# Altium PCB CRD25DA12N-FMC V2 (09-2024).PcbDoc (part 1 of 6) (continued)
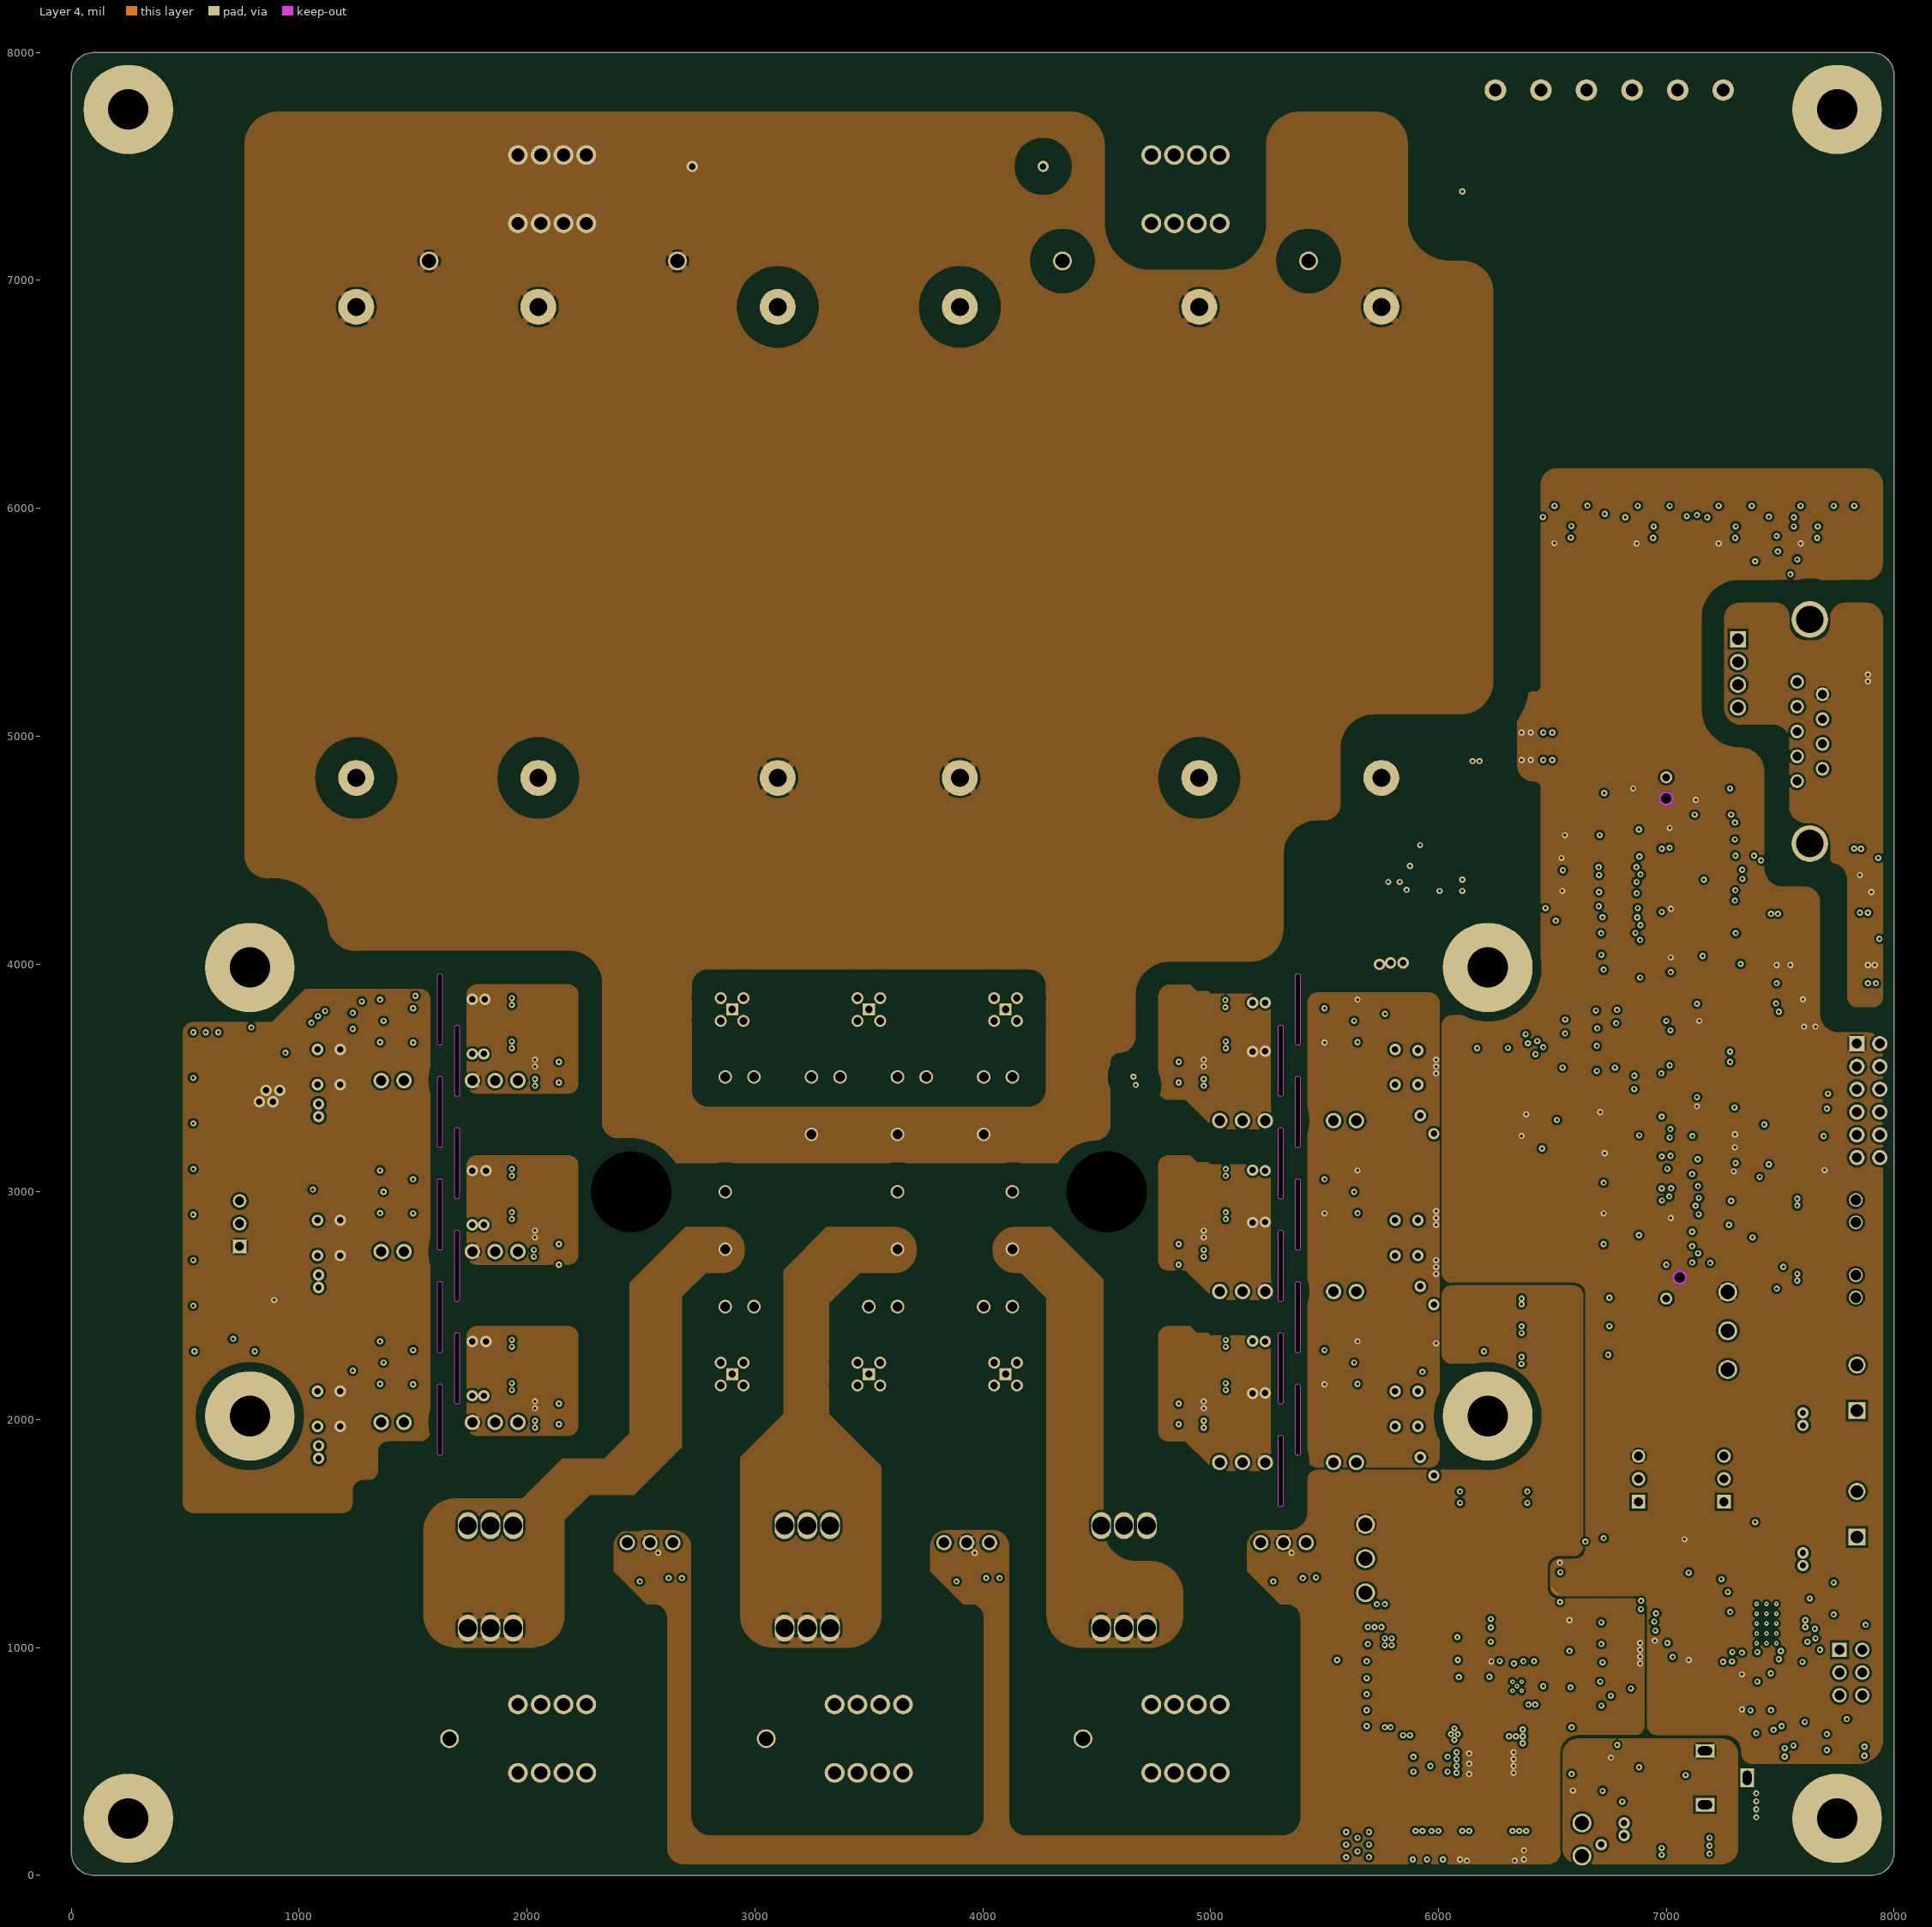
[diagram p4: Layer 4]
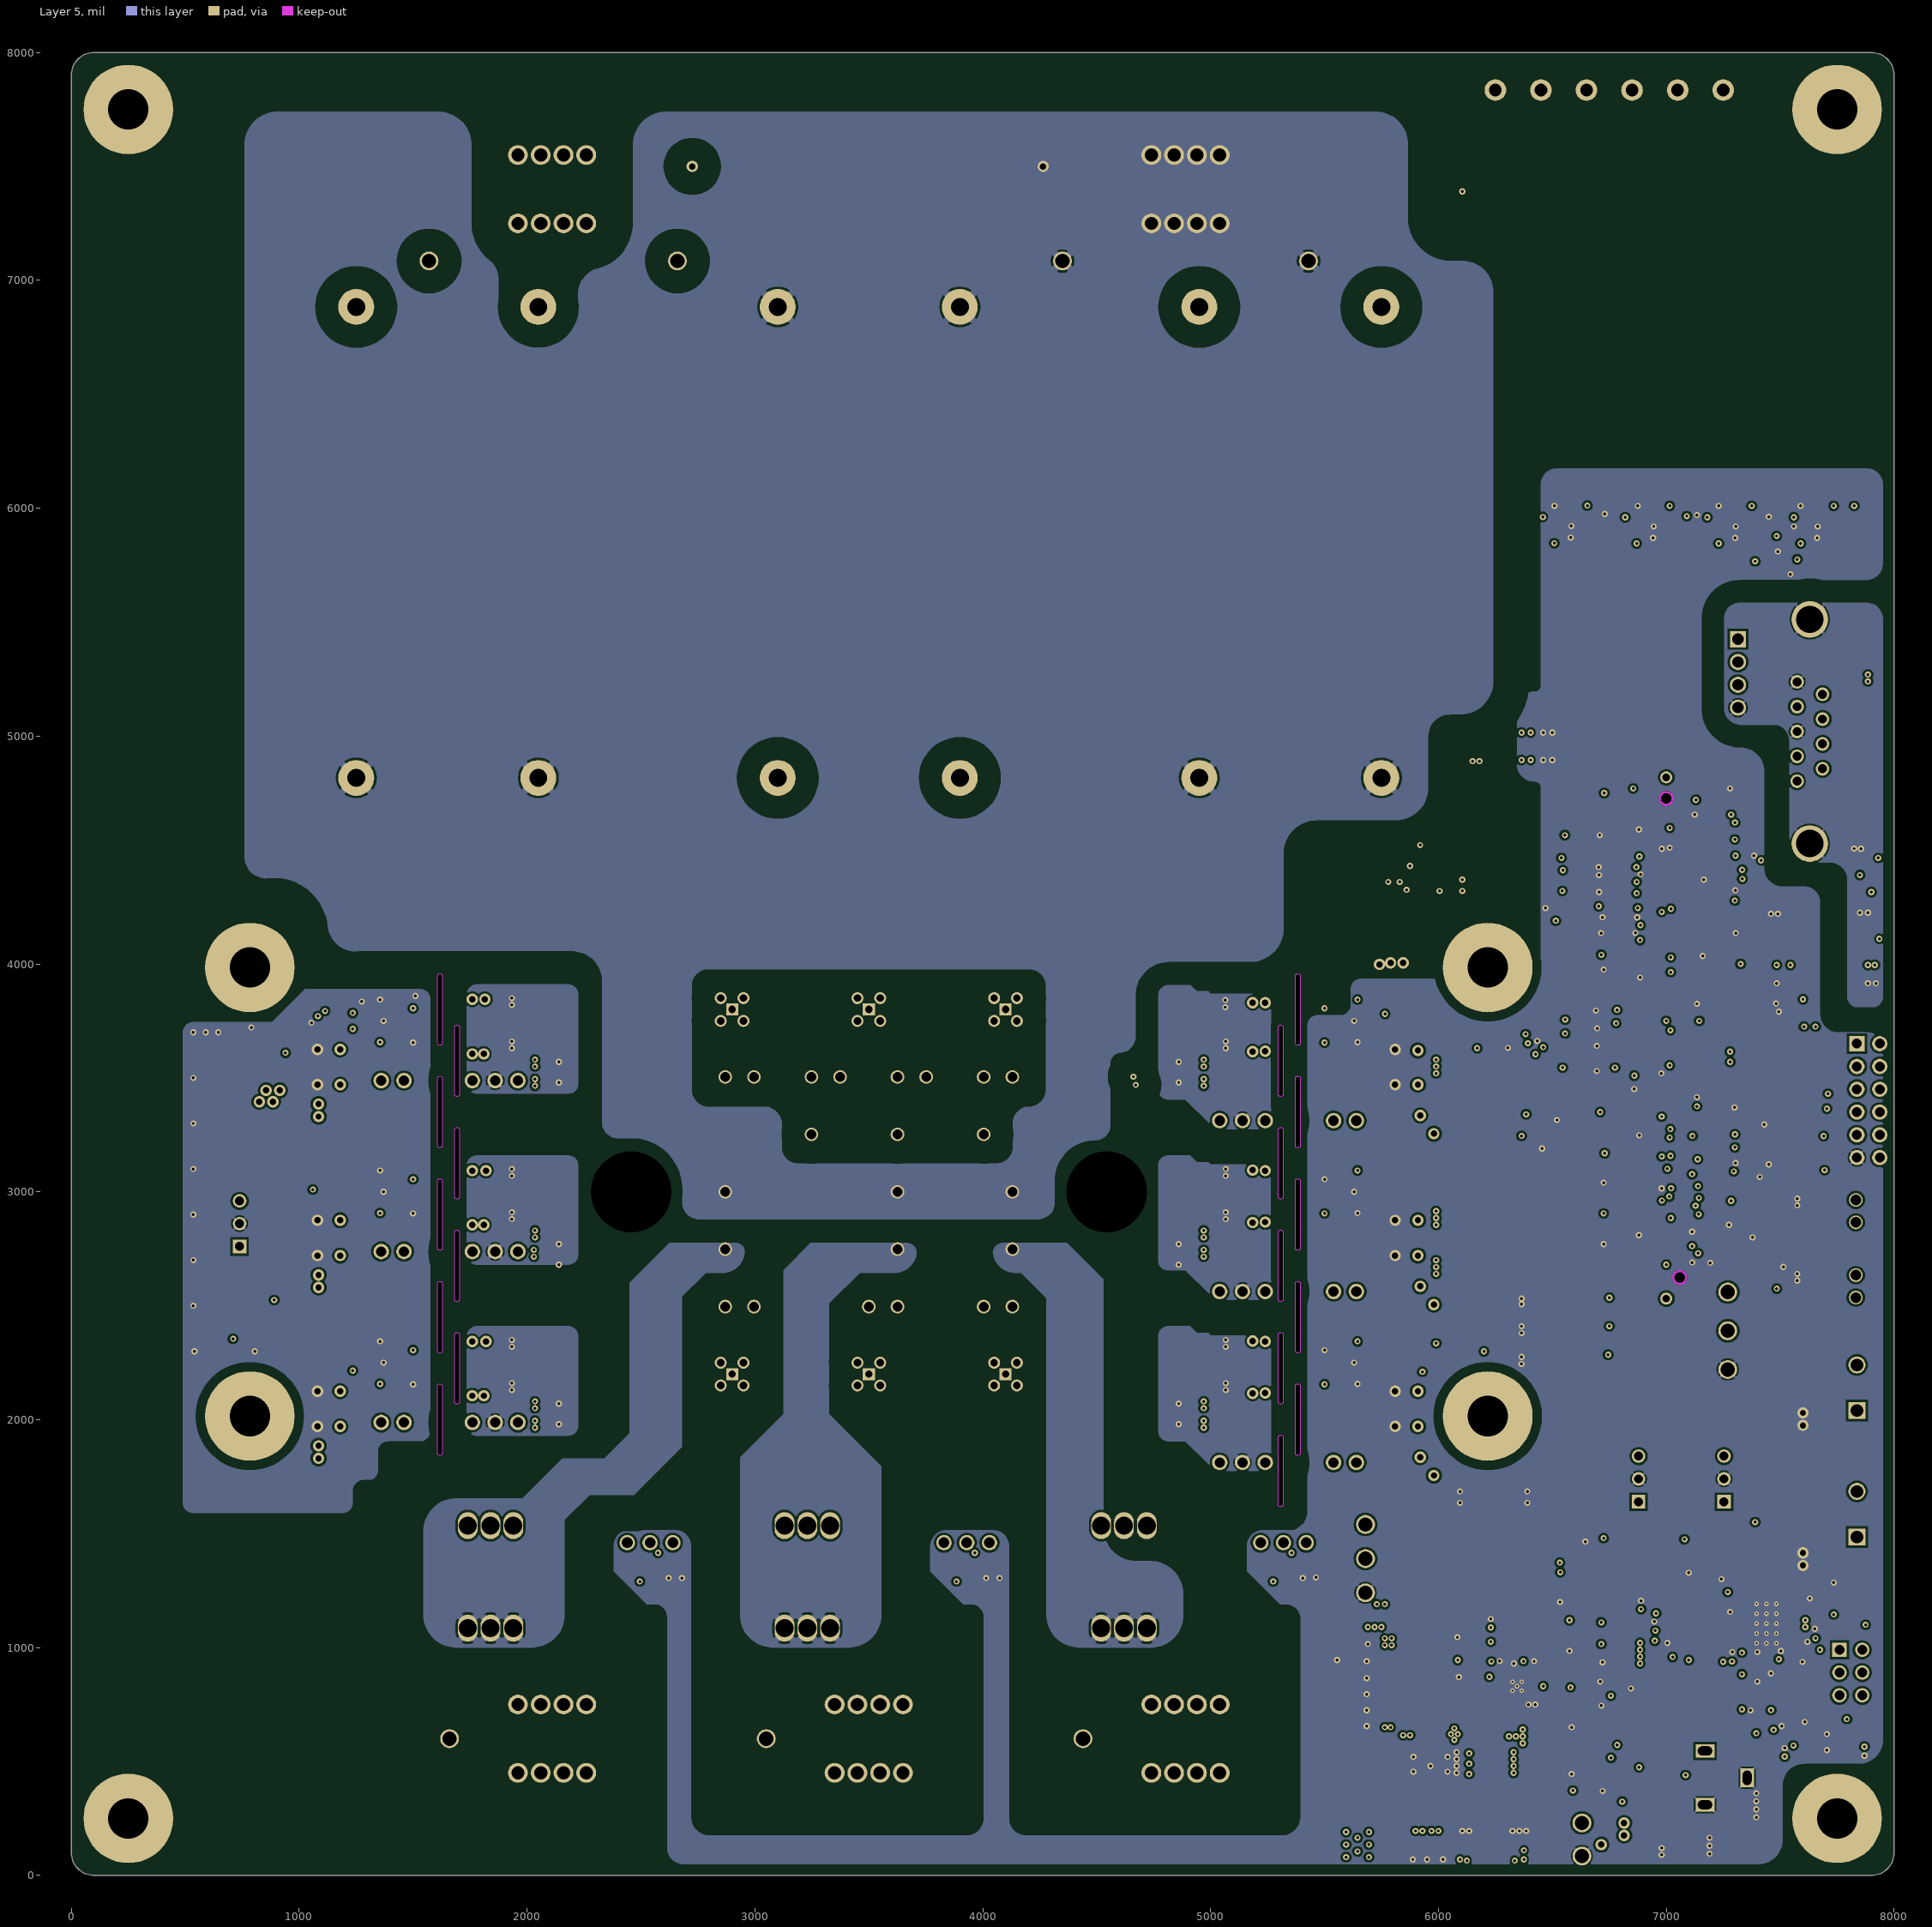
[diagram p5: Layer 5]

## Layer stack, top to bottom
Top Solder: solder mask 1, SM-002, Dk 4
Top Layer: signal copper 2.756
Dielectric 2: prepreg 7.894, PP-006, Dk 4.1
Layer 2: signal copper 2.756
Dielectric 4: prepreg 7.894, PP-006, Dk 4.1
Layer 3: signal copper 2.756
Dielectric 1: dielectric 42.888, FR-4, Dk 4.8
Layer 4: signal copper 2.756
Dielectric 5: prepreg 7.894, PP-006, Dk 4.1
Layer 5: signal copper 2.756
Dielectric 3: prepreg 7.894, PP-006, Dk 4.1
Bottom Layer: signal copper 2.756
Bottom Solder: solder mask 1, SM-002, Dk 4

## Board outline
0,100 0,7900 cw(c100,7900) 100,8000 7900,8000 cw(c7900,7900) 8000,7900 8000,100 cw(c7900,100) 7900,0 100,0 cw(c100,100)
cut-out: 5370,3950 5370,3650 ccw(c5382.5,3662.5) 5395,3650 5395,3950 ccw(c5382.5,3937.5)
cut-out: 5295,3725 5295,3425 ccw(c5307.5,3437.5) 5320,3425 5320,3725 ccw(c5307.5,3712.5)
cut-out: 5370,3500 5370,3200 ccw(c5382.5,3212.5) 5395,3200 5395,3500 ccw(c5382.5,3487.5)
cut-out: 5295,3275 5295,2975 ccw(c5307.5,2987.5) 5320,2975 5320,3275 ccw(c5307.5,3262.5)
cut-out: 5370,3050 5370,2750 ccw(c5382.5,2762.5) 5395,2750 5395,3050 ccw(c5382.5,3037.5)
cut-out: 5295,2825 5295,2525 ccw(c5307.5,2537.5) 5320,2525 5320,2825 ccw(c5307.5,2812.5)
cut-out: 5370,2600 5370,2300 ccw(c5382.5,2312.5) 5395,2300 5395,2600 ccw(c5382.5,2587.5)
cut-out: 5295,2375 5295,2075 ccw(c5307.5,2087.5) 5320,2075 5320,2375 ccw(c5307.5,2362.5)
cut-out: 5370,2150 5370,1850 ccw(c5382.5,1862.5) 5395,1850 5395,2150 ccw(c5382.5,2137.5)
cut-out: 5295,1925 5295,1625 ccw(c5307.5,1637.5) 5320,1625 5320,1925 ccw(c5307.5,1912.5)
cut-out: 1605,2150 1605,1850 ccw(c1617.5,1862.5) 1630,1850 1630,2150 ccw(c1617.5,2137.5)
cut-out: 1680,2375 1680,2075 ccw(c1692.5,2087.5) 1705,2075 1705,2375 ccw(c1692.5,2362.5)
cut-out: 1605,2600 1605,2300 ccw(c1617.5,2312.5) 1630,2300 1630,2600 ccw(c1617.5,2587.5)
cut-out: 1680,2825 1680,2525 ccw(c1692.5,2537.5) 1705,2525 1705,2825 ccw(c1692.5,2812.5)
cut-out: 1605,3050 1605,2750 ccw(c1617.5,2762.5) 1630,2750 1630,3050 ccw(c1617.5,3037.5)
cut-out: 1680,3275 1680,2975 ccw(c1692.5,2987.5) 1705,2975 1705,3275 ccw(c1692.5,3262.5)
cut-out: 1605,3500 1605,3200 ccw(c1617.5,3212.5) 1630,3200 1630,3500 ccw(c1617.5,3487.5)
cut-out: 1680,3725 1680,3425 ccw(c1692.5,3437.5) 1705,3425 1705,3725 ccw(c1692.5,3712.5)
cut-out: 1605,3950 1605,3650 ccw(c1617.5,3662.5) 1630,3650 1630,3950 ccw(c1617.5,3937.5)

## Design rules (kind name [scope] priority, off if disabled: settings)
Clearance Keepout [IsKeepOut] p1: gap=0 ignorepadtopadclearanceinfootprint=FALSE
Clearance DC+/-_Heatsink [InNet('DC-') Or InNet('DC+') vs HasFootprint('LA 6 150 12')] p2: gap=160 ignorepadtopadclearanceinfootprint=FALSE except(0: Arc-Hole Track-Hole SMDPad-Hole THPad-Hole Via-Hole Fill-Hole Poly-Hole Region-Hole Text-Hole)
Clearance NTC_Heatsink [InNetClass('NTC Class') vs HasFootprint('LA 6 150 12')] p3: gap=120 ignorepadtopadclearanceinfootprint=FALSE except(0: Arc-Hole Track-Hole SMDPad-Hole THPad-Hole Via-Hole Fill-Hole Poly-Hole Region-Hole Text-Hole)
Clearance Heatsink [All vs HasFootprint('LA 6 150 12')] p4: gap=40 ignorepadtopadclearanceinfootprint=FALSE except(0: Arc-Hole Track-Hole SMDPad-Hole THPad-Hole Via-Hole Fill-Hole Poly-Hole Region-Hole Text-Hole)
Clearance Module_Mount [All vs HoleDiameter = 354.331] p5: gap=50 ignorepadtopadclearanceinfootprint=FALSE
Clearance Cutout [IsBoardCutoutRegion] p6: gap=20 ignorepadtopadclearanceinfootprint=TRUE except(0: Arc-Hole Track-Hole SMDPad-Hole THPad-Hole Via-Hole Fill-Hole Poly-Hole Region-Hole Text-Hole)
Clearance LV_to_G [InNetClass('LV Pours') vs InNetClass('Gate Class')] p7: gap=160 ignorepadtopadclearanceinfootprint=FALSE except(0: Arc-Hole Track-Hole SMDPad-Hole THPad-Hole Via-Hole Fill-Hole Poly-Hole Region-Hole Text-Hole)
Clearance DC+/-_to_LV [InNet('DC-') OR InNet('DC+') OR InNetClass('U Class') OR InNetClass('V Class') OR InNetClass('W Class') vs InNetClass('LV Pours')] p8: gap=160 ignorepadtopadclearanceinfootprint=FALSE except(0: Arc-Hole Track-Hole SMDPad-Hole THPad-Hole Via-Hole Fill-Hole Poly-Hole Region-Hole Text-Hole)
Clearance DC+_Internal [(InNet('DC-') Or InNetClass('DC+ Class')) AND InLayerClass('Internal Layers')] p9: gap=100 ignorepadtopadclearanceinfootprint=FALSE except(0: Arc-Hole Track-Hole SMDPad-Hole THPad-Hole Via-Hole Fill-Hole Poly-Hole Region-Hole Text-Hole)
Clearance DC+_Pins_External [InNet('DC+') AND InLayerClass('External Layers') vs (HasFootprint('FM3_SIX-PACK_3PHASE_CRW') OR HasFootprint('FP-73415-1471-MFG')) AND (InNetClass('Gate Class') OR InNetClass('NTC Class'))] p10: gap=140 ignorepadtopadclearanceinfootprint=FALSE except(0: Arc-Hole Track-Hole SMDPad-Hole THPad-Hole Via-Hole Fill-Hole Poly-Hole Region-Hole Text-Hole)
Clearance DC+_to_DC+ [InNetClass('DC+ Class') vs InNetClass('DC+ Class')] p11: gap=10 ignorepadtopadclearanceinfootprint=FALSE except(0: Arc-Hole Track-Hole SMDPad-Hole THPad-Hole Via-Hole Fill-Hole Poly-Hole Region-Hole Text-Hole)
Clearance DC+_External [InNet('DC+') AND InLayerClass('External Layers')] p12: gap=160 ignorepadtopadclearanceinfootprint=FALSE except(0: Arc-Text Arc-Hole Track-Text Track-Hole SMDPad-Text SMDPad-Hole THPad-Text THPad-Hole Via-Text Via-Hole Fill-Text Fill-Hole Poly-Text Poly-Hole Region-Text Region-Hole Text-Text Text-Hole)
Clearance CAN [InNetClass('CAN Class') vs Not InNetClass('CAN Class') And Not IsPad] p13: gap=100 ignorepadtopadclearanceinfootprint=FALSE except(0: Arc-Hole Track-Hole SMDPad-Hole THPad-Hole Via-Hole Fill-Hole Poly-Hole Region-Hole Text-Hole)
Clearance U [InNetClass('U Class') vs NOT InNetClass('U Class')] p14: gap=100 ignorepadtopadclearanceinfootprint=FALSE except(0: Arc-Text Arc-Hole Track-Text Track-Hole SMDPad-Text SMDPad-Hole THPad-Text THPad-Hole Via-Text Via-Hole Fill-Text Fill-Hole Poly-Text Poly-Hole Region-Text Region-Hole Text-Text Text-Hole)
Clearance V [InNetClass('V Class') vs NOT InNetClass('V Class')] p15: gap=100 ignorepadtopadclearanceinfootprint=FALSE except(0: Arc-Text Arc-Hole Track-Text Track-Hole SMDPad-Text SMDPad-Hole THPad-Text THPad-Hole Via-Text Via-Hole Fill-Text Fill-Hole Poly-Text Poly-Hole Region-Text Region-Hole Text-Text Text-Hole)
Clearance W [InNetClass('W Class') vs NOT InNetClass('W Class')] p16: gap=100 ignorepadtopadclearanceinfootprint=FALSE except(0: Arc-Hole Track-Hole SMDPad-Hole THPad-Hole Via-Hole Fill-Hole Poly-Hole Region-Hole Text-Text Text-Hole)
Clearance NTC_External [InNetClass('NTC Class') AND InLayerClass('External Layers') vs NOT InNetClass('NTC Class') AND NOT IsPad] p17: gap=150 ignorepadtopadclearanceinfootprint=FALSE except(0: Arc-Hole Track-Hole SMDPad-Hole THPad-Hole Via-Hole Fill-Hole Poly-Hole Region-Hole Text-Hole)
Clearance NTC_Internal [InNetClass('NTC Class') AND InLayerClass('Internal Layers') vs NOT InNetClass('NTC Class') AND NOT IsPad] p18: gap=100 ignorepadtopadclearanceinfootprint=FALSE except(0: Arc-Hole Track-Hole SMDPad-Hole THPad-Hole Via-Hole Fill-Hole Poly-Hole Region-Hole Text-Hole)
Clearance [All] p19: gap=10 ignorepadtopadclearanceinfootprint=TRUE except(0: Arc-Hole Track-Hole SMDPad-Hole THPad-Hole Via-Hole Fill-Poly Fill-Hole Poly-Hole Region-Hole Text-Hole; 6: Arc-SMDPad Track-SMDPad SMDPad-SMDPad THPad-THPad)
Height [All] p1: minheight=0 maxheight=4100 prefheight=500
HoleSize [All] p1: absolutevalues=TRUE maxlimit=400 minlimit=5 maxpercent=80.000 minpercent=20.000
MinimumSolderMaskSliver [All] p1: minsoldermaskwidth=1.5
PolygonConnect InductorConnect [HasFootprint('74437368220')] p1: connectstyle=Direct reliefconductorwidth=10 reliefentries=4 polygonreliefangle="90 Angle" airgapwidth=10
PolygonConnect BoltConnect [HoleDiameter=177.165] p2: thpad.connectstyle=Direct thpad.reliefconductorwidth=10 thpad.reliefentries=4 thpad.polygonreliefangle="90 Angle" thpad.airgapwidth=10 smdpad.connectstyle=Relief smdpad.reliefconductorwidth=10 smdpad.reliefentries=4 smdpad.polygonreliefangle="90 Angle" smdpad.airgapwidth=10 via.connectstyle=Relief via.reliefconductorwidth=10 via.reliefentries=4 via.polygonreliefangle="90 Angle" via.airgapwidth=10
PolygonConnect PressFitConnect [HasFootprint('7460307')] p3: connectstyle=Direct reliefconductorwidth=10 reliefentries=4 polygonreliefangle="90 Angle" airgapwidth=10
PolygonConnect ModuleConnect [HasFootprint('FM3_SIX-PACK_3PHASE_CRW')] p4: connectstyle=Direct reliefconductorwidth=30 reliefentries=4 polygonreliefangle="45 Angle" airgapwidth=10
PolygonConnect PourOverThruConnect [InNetClass('Pour-Over Thru Class') AND NOT HasFootprint('FM3_SIX-PACK_3PHASE_CRW')] p5: thpad.connectstyle=Relief thpad.reliefconductorwidth=20 thpad.reliefentries=4 thpad.polygonreliefangle="45 Angle" thpad.airgapwidth=7 smdpad.connectstyle=Relief smdpad.reliefconductorwidth=20 smdpad.reliefentries=4 smdpad.polygonreliefangle="90 Angle" smdpad.airgapwidth=8 via.connectstyle=Direct via.reliefconductorwidth=10 via.reliefentries=4 via.polygonreliefangle="90 Angle" via.airgapwidth=10
PolygonConnect PourOverConnect [InNetClass('Pour-Over Class')] p6: connectstyle=Direct reliefconductorwidth=10 reliefentries=4 polygonreliefangle="90 Angle" airgapwidth=10
PolygonConnect ViaConnect [IsVia] p7: connectstyle=Direct reliefconductorwidth=10 reliefentries=4 polygonreliefangle="90 Angle" airgapwidth=10
PolygonConnect HighCurrentThermalConnect [InNetClass('High-Current Class') AND NOT HasFootprint('FM3_SIX-PACK_3PHASE_CRW')] p8: thpad.connectstyle=Relief thpad.reliefconductorwidth=30 thpad.reliefentries=4 thpad.polygonreliefangle="45 Angle" thpad.airgapwidth=10 smdpad.connectstyle=Relief smdpad.reliefconductorwidth=10 smdpad.reliefentries=4 smdpad.polygonreliefangle="45 Angle" smdpad.airgapwidth=10 via.connectstyle=Direct via.reliefconductorwidth=10 via.reliefentries=4 via.polygonreliefangle="90 Angle" via.airgapwidth=10
PolygonConnect [All] p9: connectstyle=Relief reliefconductorwidth=10 reliefentries=4 polygonreliefangle="45 Angle" airgapwidth=7
RoutingVias [All] p1: holewidth=28 width=50 viastyle="Through Hole" minholewidth=28 minwidth=50 maxholewidth=28 maxwidth=50
SilkToSilkClearance [All] p1: silktosilkclearance=4
SilkToSolderMaskClearance [IsPad] p1: minsilkscreentomaskgap=2 clearancetoexposedcopper=TRUE
SolderMaskExpansion [All] p1: expansion=4 istentingtop=FALSE
SupplyNets "Schematic Supply Nets_17" [InNet('VIN')] p1: voltage=0.000
SupplyNets "Schematic Supply Nets_16" [InNet('GND_NTC')] p2: voltage=0.000
SupplyNets "Schematic Supply Nets_15" [InNet('GND_ISO')] p3: voltage=0.000
SupplyNets "Schematic Supply Nets_14" [InNet('+3.3V_I')] p4: voltage=0.000
SupplyNets "Schematic Supply Nets_13" [InNet('+5V')] p5: voltage=0.000
SupplyNets "Schematic Supply Nets_12" [InNet('+3.3V')] p6: voltage=0.000
SupplyNets "Schematic Supply Nets_11" [InNet('+5V_ISO')] p7: voltage=0.000
SupplyNets "Schematic Supply Nets_10" [InNet('GND')] p8: voltage=0.000
SupplyNets "Schematic Supply Nets_9" [InNet('+1.65V_V')] p9: voltage=0.000
SupplyNets "Schematic Supply Nets_8" [InNet('-15V')] p10: voltage=0.000
SupplyNets "Schematic Supply Nets_7" [InNet('+12V')] p11: voltage=0.000
SupplyNets "Schematic Supply Nets_6" [InNet('+5V_NTC')] p12: voltage=0.000
SupplyNets "Schematic Supply Nets_5" [InNet('+1.65V_I')] p13: voltage=0.000
SupplyNets "Schematic Supply Nets_4" [InNet('+3.3V_V')] p14: voltage=0.000
SupplyNets "Schematic Supply Nets_3" [InNet('+3.3V_R')] p15: voltage=0.000
SupplyNets "Schematic Supply Nets_2" [InNet('+15V')] p16: voltage=0.000
SupplyNets "Schematic Supply Nets_1" [InNet('+1.65V_R')] p17: voltage=0.000
SupplyNets "Schematic Supply Nets" [InNet('+5V_ALT')] p18: voltage=0.000
Width [All] p1: maxlimit=100 minlimit=6.5 preferedwidth=10 minimp=50.000000 maximp=50.000000 favimp=50.000000
25 further rules are at their usual default settings.

## Classes and differential pairs
component class "09 - Controlled Power": D13 D14 D17 D18 J10 J11 J12 J16 Q3 Q4 Q5 Q6 R241 R242 R243 R244
net class "Gate Class": +15V_U_HS +15V_U_LS +15V_V_HS +15V_V_LS +15V_W_HS +15V_W_LS -3V_U_HS -3V_U_LS -3V_V_HS -3V_V_LS -3V_W_HS -3V_W_LS G1 G1H G1L G2 G2H G2L G3 G3H G3L G4 G4H G4L G5 G5H G5L G6 G6H G6L S1 S2 S3 S4 S5 S6
net class "LV Pours": +3.3V +5V +5V_ALT +12V +15V -15V GND
net class "DC+ Class": DC+ DC+1
net class "G6 Class": +15V_W_LS -3V_W_LS G6 G6H G6L S6
net class "G5 Class": +15V_W_HS -3V_W_HS G5 G5H G5L S5
net class "G4 Class": +15V_V_LS -3V_V_LS G4 G4H G4L S4
net class "G3 Class": +15V_V_HS -3V_V_HS G3 G3H G3L S3
net class "G2 Class": +15V_U_LS -3V_U_LS G2 G2H G2L S2
net class "G1 Class": +15V_U_HS -3V_U_HS G1 G1H G1L S1
net class "CAN Class": +5V_ISO +5V_ISO_BUF CAN_H CAN_HFILT CAN_L CAN_LFILT CAN_MIDC CAN_MIDR GND_ISO
net class "NTC Class": +5V_NTC GND_NTC NTC1
net class "Pour-Over Thru Class": +15V_U_HS +15V_U_LS +15V_V_HS +15V_V_LS +15V_W_HS +15V_W_LS -3V_U_HS -3V_U_LS -3V_V_HS -3V_V_LS -3V_W_HS -3V_W_LS S1 S2 S3 S4 S5 S6
net class "Pour-Over Class": G1 G1H G1L G2 G2H G2L G3 G3H G3L G4 G4H G4L G5 G5H G5L G6 G6H G6L
net class "High-Current Class": DC+ DC- U U_OUT V V_OUT W W_OUT
net class "Bleed Class": BLEED1 BLEED2 BLEED3
net class "DC- Class": +15V_U_LS +15V_V_LS +15V_W_LS -3V_U_LS -3V_V_LS -3V_W_LS DC- G2 G2H G2L G4 G4H G4L G6 G6H G6L S2 S4 S6
net class "W Class": +15V_W_HS -3V_W_HS G5 G5H G5L S5 W W_OUT
net class "V Class": +15V_V_HS -3V_V_HS G3 G3H G3L S3 V V_OUT
net class "U Class": +15V_U_HS -3V_U_HS G1 G1H G1L S1 U U_OUT
component class "08 - Resolver": C19 C23 C89 C90 C91 C92 C93 C94 C100 C102 C161 C165 C166 C167 C169 C170 C173 C174 C176 C177 C181 C183 D8 D9 D10 J17 Q1 R60 R62 R135 R136 R137 R138 R139 R140 R141 R143 R146 R148 R247 R249 R250 R252 R253 R257 R258 R261 R264 R265 R266 R267 R268 R269 R270 R271 R272 U39 U40 U41 U42
component class "02 - Power Stage": C110 C111 C112 C158 C159 C160 C162 C163 C164 D11 D12 D15 D16 HS1 J2 J3 J6 J7 J8 J13 J14 J15 J18 J19 J20 MH1 MH2 MH3 MH4 Q2 R1 R2 R3 R4 R5 R6 R7 R8 R9 R10 R11 R12 R77 R78 R80 R81 R115 R116 R118 R119 R133 R134 TP1 TP2 TP3 TP4 TP11 TP12 TP13 U26 U27 U28
component class "04 - Auxiliary Power": C5 C10 C11 C12 C13 C16 C31 C56 C64 C95 C96 C97 C98 C99 C101 C103 C104 C105 C106 C107 C108 C109 C117 C118 C128 C154 C155 C156 C157 C168 C171 C172 C175 C178 C179 C180 C182 C184 C185 C186 C187 C188 C189 C190 C191 C192 C193 C194 C195 C196 C197 C198 C199 C200 C201 C202 C203 D4 D5 D6 D7 D19 D20 J21 J22 L7 L8 L9 Q7 Q8 R142 R144 R145 R147 R149 R150 R151 R152 R153 R154 R155 R156 R245 R246 R248 R251 R254 R255 R256 R259 R260 R262 R263 R273 R274 R275 R276 TP5 TP6 TP7 TP8 TP9 TP10 TP14 TP15 U6 U8 U16 U24 U25 U29 U30 U31 U32 U43
component class "07 - Current-Temp Sense": C14 C15 C17 C18 C20 C21 C22 C24 C25 C45 C46 C123 C126 C130 C131 C132 C133 C135 C136 C137 C138 C139 C140 C143 C144 C145 R53 R55 R56 R58 R59 R61 R63 R85 R86 R88 R91 R113 R114 R117 R122 R125 R128 R199 R200 R201 R202 R203 R204 R205 R206 R207 R208 R209 R210 R211 R212 R213 U7 U14 U33 U34 U35 U37
component class "03 - Controller": C30 C44 C53 C63 C119 C120 C121 C122 C124 C141 C142 C148 C149 C150 C151 C152 C153 D1 D2 D3 J4 J5 J9 L10 R45 R46 R47 R48 R49 R50 R66 R71 R76 R79 R82 R84 R87 R89 R90 R92 R93 R96 R101 R102 R107 R108 R109 R110 R111 R112 R192 R193 R194 R195 R196 R197 R198 R221 R222 R223 R224 R225 R226 R227 R228 R229 R230 R231 R232 R233 R234 R235 R236 R237 R238 R239 R240 U5 U36 U38
component class "06 - Voltage Sense": C1 C2 C3 C4 C6 C7 C8 C9 C113 C114 C115 C116 C125 C127 C129 C134 J1 R13 R14 R15 R16 R17 R18 R19 R20 R21 R22 R23 R24 R25 R26 R27 R28 R29 R30 R31 R32 R33 R34 R35 R36 R37 R38 R39 R40 R41 R42 R43 R44 R51 R52 R54 R57 R157 R158 R159 R160 R161 R162 R163 R164 R165 R166 R167 R168 R169 R170 R171 R172 R173 R174 R175 R176 R177 R178 R179 R180 R181 R182 R183 R184 R185 R186 R187 R188 R189 R190 R191 U1 U2 U3 U4
component class "05 - Gate Drivers": C26 C27 C28 C29 C32 C33 C34 C35 C36 C37 C38 C39 C40 C41 C42 C43 C47 C48 C49 C50 C51 C52 C54 C55 C57 C58 C59 C60 C61 C62 C65 C66 C67 C68 C69 C70 C71 C72 C73 C74 C75 C76 C77 C78 C79 C80 C81 C82 C83 C84 C85 C86 C87 C88 C146 C147 L1 L2 L3 L4 L5 L6 R64 R65 R67 R68 R69 R70 R72 R73 R74 R75 R83 R94 R95 R97 R98 R99 R100 R103 R104 R105 R106 R120 R121 R123 R124 R126 R127 R129 R130 R131 R132 R214 R215 R216 R217 R218 R219 R220 U9 U10 U11 U12 U13 U15 U17 U18 U19 U20 U21 U22 U23
